# Altium PCB Enigma Rev B.PcbDoc (part 7 of 8)
Units mm, origin at the board's own origin, x right, y up, seen from the top; angles counter-clockwise.
Board outline 239.08 x 138 mm, 6 copper layers (Component Side, Ground Plane (GND), Inner Layer 1, Inner Layer 2, Power Plane (VCC), Solder Side), stack 1.297 mm thick; 556 components, 648 nets, 2393 pads, 1101 vias.
Unrouted connection lines stored in the file: 43.
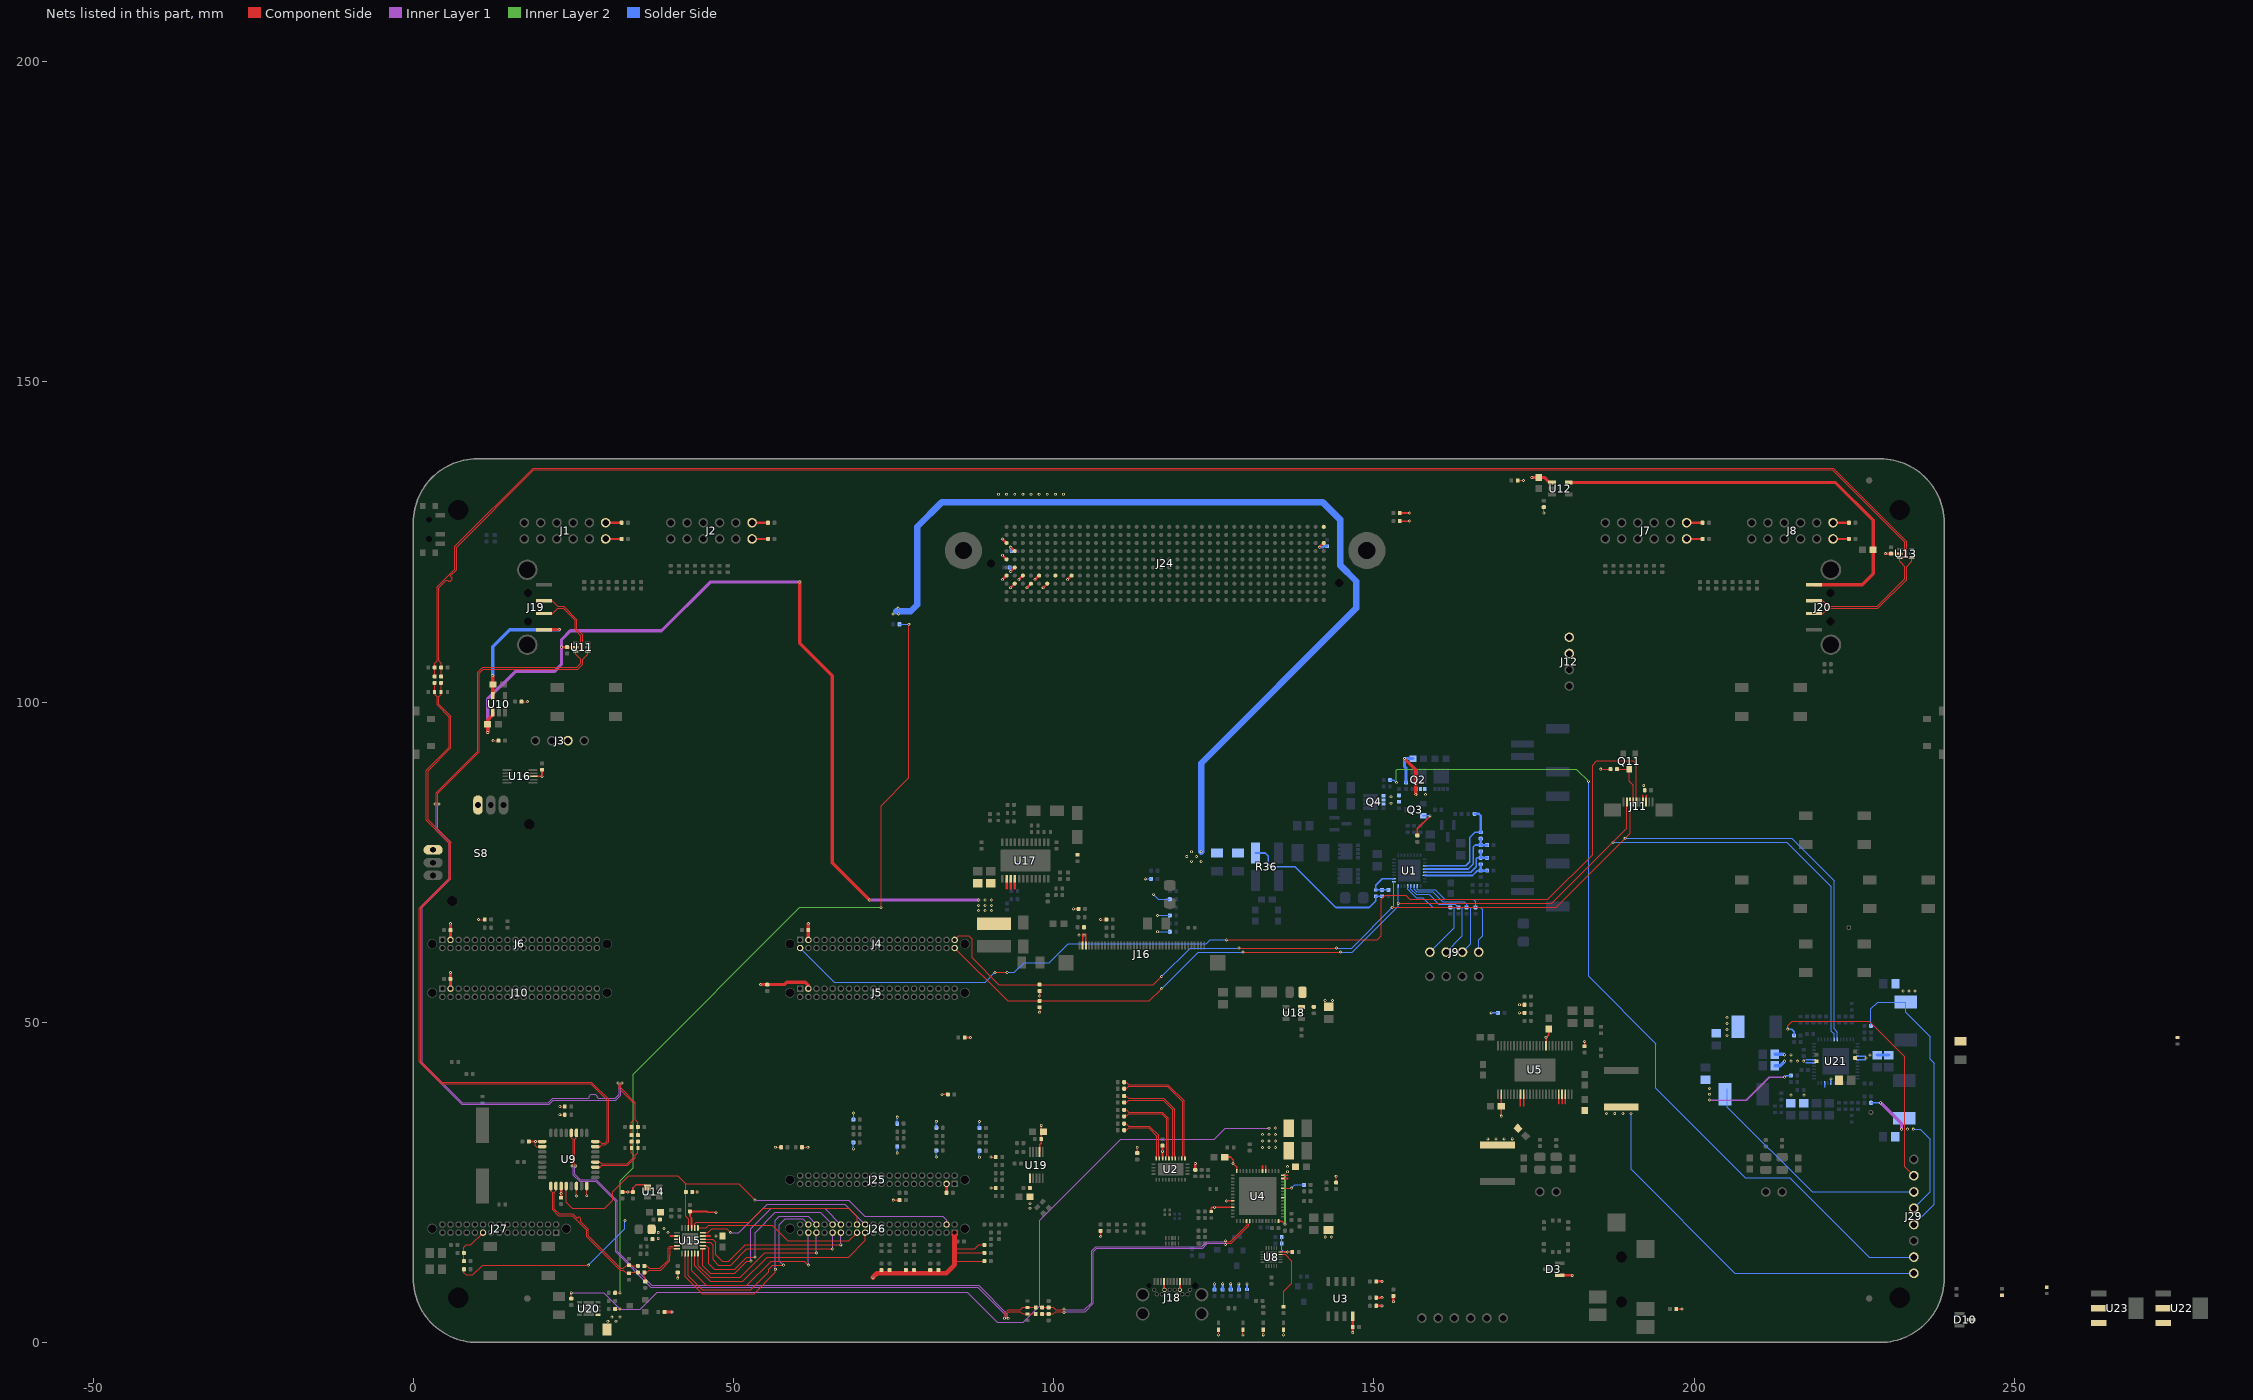
[diagram p11: the nets of this part, all layers, seen from the top]

## Via types
v1: diameter 0.457, hole 0.203, Component Side to Solder Side, tented top, 1031 vias
v2: diameter 0.5, hole 0.2, Component Side to Solder Side, 55 vias
v3: diameter 0.457, hole 0.203, Component Side to Solder Side, 9 vias
v4: diameter 0.5, hole 0.2, Component Side to Solder Side, tented both sides, 6 vias

## Nets (pads, with @x,y where several pads share a name; then routed paths per layer and width w, separated by ;. In a path a pad name is that pad's centre, name@x,y a point inside that pad or via, vN(x,y) a via of type N, cw(c..) or ccw(c..) an arc to the next point about the centre after c; other vN are vias at no path point) (continued)
TOUCH_INT_N: J4.2 J11.5 | length 165.3
  Component Side w0.127: v1(90.805,57.785) v1(92.71,57.785) ; v1(127,62.865) 150.495,62.865 151.13,63.5 151.13,69.215 151.765,69.85 154.94,69.85 155.575,69.215 177.165,69.215 184.15,76.2 184.15,90.17 184.785,90.805 190.5,90.805 191,90.305 J11.5@191,84.39
  Solder Side w0.127: J4.2@60.391,61.595 65.725,56.261 89.281,56.261 v1(90.805,57.785) ; v1(92.71,57.785) 93.853,57.785 95.377,59.309 99.314,59.309 102.235,62.23 123.825,62.23 124.46,62.865 v1(127,62.865)
TOUCH_RST_N: J11.4 Q11.3 R175.1 | length 7.3
  Component Side w0.127: R175.1@187.96,89.535 Q11.3@189.865,89.535 189.865,87.63 190.5,86.995 J11.4@190.5,84.39
TOUCH_SCL: J4.39 J11.3 J12.3 R208.2 U1.17 U21.43 | length 189.8
  Component Side w0.127: J4.39@84.521,62.865 85.156,63.5 86.741,63.5 87.249,62.992 87.249,60.071 91.44,55.88 R208.2@97.79,55.88 115.57,55.88 v1(116.84,57.15) ; v1(128.905,61.595) v1(144.145,61.595) ; v1(152.846,67.945) 178.435,67.945 190,79.51 J11.3@190,84.39
  Solder Side w0.127: v1(116.84,57.15) 121.285,61.595 v1(128.905,61.595) ; v1(144.145,61.595) 146.496,61.595 153.121,68.22 U1.17@153.121,71.929 ; v1(189.23,78.74) 215.265,78.74 221.87,72.135 221.87,48.969 222.37,48.469 U21.43@222.37,47.319
TOUCH_SDA: J4.40 J11.2 J12.4 R209.2 U1.16 U21.42 | length 187.6
  Component Side w0.127: J4.40@84.521,61.595 92.776,53.34 R209.2@97.79,53.34 114.935,53.34 v1(116.84,55.245) ; v1(129.54,60.96) v1(144.78,60.96) ; v1(153.797,68.58) 177.8,68.58 189.5,80.28 J11.2@189.5,84.39
  Solder Side w0.127: v1(116.84,55.245) 122.555,60.96 v1(129.54,60.96) ; v1(144.78,60.96) 146.611,60.96 153.771,68.12 U1.16@153.771,71.279 ; v1(187.325,78.105) 214.503,78.105 221.42,71.188 221.42,48.619 221.87,48.169 U21.42@221.87,47.319
TRST_L: J24.D34
TS1: J9.1 R38.1 U1.10 | length 19.4
  Solder Side w0.127: U1.10@156.771,71.279 156.771,70.788 156.855,70.704 159.605,70.704 161.094,69.215 165.481,69.215 165.862,68.834 R38.1@165.862,67.945 166.624,67.945 167.005,67.564 167.005,63.5 166.37,62.865 J9.1@166.37,60.96
TS2: J9.2 R39.1 U1.11 | length 18.2
  Solder Side w0.127: U1.11@156.271,71.279 156.271,70.788 156.705,70.354 159.205,70.354 160.725,68.834 164.084,68.834 164.465,68.453 R39.1@164.465,67.945 164.973,67.945 165.1,67.818 165.1,62.23 J9.2@163.83,60.96
TS3: J9.3 R40.1 U1.12 | length 17.7
  Solder Side w0.127: U1.12@155.771,71.279 155.771,70.788 156.605,69.954 158.605,69.954 160.106,68.453 162.687,68.453 R40.1@163.195,67.945 163.703,67.945 163.83,67.818 163.83,63.5 J9.3@161.29,60.96
TS4: J9.4 R41.1 U1.13 | length 17.4
  Solder Side w0.127: U1.13@155.271,71.279 155.271,70.788 156.605,69.454 157.655,69.454 159.164,67.945 R41.1@161.925,67.945 162.433,67.945 162.56,67.818 162.56,64.77 J9.4@158.75,60.96
ULPI_CLK: J26.35 U15.12 | length 25.8
  Component Side w0.127: U15.12@44.43,13.875 44.43,12.077 46.347,10.16 51.054,10.16 54.864,13.97 v1(62.931,13.97)
  Inner Layer 1 w0.127: v1(62.931,13.97) J26.35@62.931,17.145
ULPI_D0: J26.29 U15.16 | length 27.1
  Component Side w0.127: U15.16@45.18,16.125 46.74,16.125 47.244,15.621 47.244,13.716 48.26,12.7 49.276,12.7 51.816,15.24 v1(66.741,15.24)
  Inner Layer 1 w0.127: v1(66.741,15.24) J26.29@66.741,17.145
ULPI_D1: J26.31 U15.15 | length 26.7
  Component Side w0.127: U15.15@45.18,15.625 46.351,15.625 46.736,15.24 46.736,12.954 47.625,12.065 49.53,12.065 52.07,14.605 v1(65.471,14.605)
  Inner Layer 1 w0.127: v1(65.471,14.605) J26.31@65.471,17.145
ULPI_D2: J26.32 U15.14 | length 29.9
  Component Side w0.127: U15.14@45.18,15.125 45.708,15.125 46.101,14.732 46.101,12.319 46.99,11.43 50.165,11.43 52.07,13.335 v1(53.34,13.335)
  Inner Layer 1 w0.127: v1(53.34,13.335) 53.34,17.145 56.515,20.32 63.566,20.32 J26.32@65.471,18.415
ULPI_D3: J26.30 U15.13 | length 32.9
  Component Side w0.127: U15.13@45.18,14.625 45.18,11.97 46.355,10.795 50.165,10.795 52.07,12.7 v1(52.705,12.7)
  Inner Layer 1 w0.127: v1(52.705,12.7) 52.705,17.78 55.88,20.955 64.201,20.955 J26.30@66.741,18.415
ULPI_D4: J26.23 U15.11 | length 33.4
  Component Side w0.127: U15.11@43.93,13.875 43.93,11.95 46.355,9.525 51.435,9.525 55.245,13.335 67.945,13.335 70.551,15.941 J26.23@70.551,17.145
ULPI_D5: J26.37 U15.10 | length 28.8
  Component Side w0.127: U15.10@43.43,13.875 43.43,11.18 45.72,8.89 52.07,8.89 55.88,12.7 61.026,12.7 v1(61.661,12.065)
  Inner Layer 1 w0.127: v1(61.661,12.065) J26.37@61.661,17.145
ULPI_D6: J26.38 U15.9 | length 32.9
  Component Side w0.127: U15.9@42.93,13.875 42.93,10.41 45.085,8.255 52.705,8.255 55.499,11.049 55.499,11.43 56.134,12.065 v1(57.785,12.065)
  Inner Layer 1 w0.127: v1(57.785,12.065) 57.15,12.7 57.15,18.415 58.039,19.304 60.772,19.304 J26.38@61.661,18.415
ULPI_D7: J26.36 U15.8 | length 35.5
  Component Side w0.127: U15.8@42.43,13.875 42.43,10.275 45.085,7.62 53.213,7.62 56.515,10.922 v1(56.515,11.43)
  Inner Layer 1 w0.127: v1(56.515,11.43) 56.515,19.05 57.15,19.685 61.661,19.685 J26.36@62.931,18.415
ULPI_DIR: J26.25 U15.19 | length 26.5
  Component Side w0.127: U15.19@44.43,17.875 45.688,17.875 46.101,18.288 56.007,18.288 58.42,15.875 68.011,15.875 J26.25@69.281,17.145
ULPI_NXT: J26.24 U15.18 | length 29.1
  Component Side w0.127: U15.18@45.18,17.125 45.954,17.125 46.609,17.78 48.895,17.78 v1(49.53,17.145)
  Inner Layer 1 w0.127: v1(49.53,17.145) 50.8,17.145 55.245,21.59 67.376,21.59 J26.24@70.551,18.415
ULPI_RST_N: J26.4 R176.1 U9.4 U15.22 | length 75.8
  Component Side w0.127: U9.4@23.857,24.425 23.857,21.863 24.765,20.955 29.845,20.955 31.115,22.225 31.115,23.495 33.655,26.035 41.275,26.035 42.545,24.765 ; R176.1@42.545,23.495 42.545,24.765 ; R176.1@42.549,23.495 42.549,19.681 42.93,19.3 U15.22@42.93,17.875 ; v1(53.34,22.225) 50.8,24.765 42.545,24.765
  Inner Layer 1 w0.127: v1(53.34,22.225) 67.945,22.225 70.485,19.685 82.677,19.685 83.251,19.111 J26.4@83.251,18.415
ULPI_STP: J26.26 U15.20 | length 28.8
  Component Side w0.127: U15.20@43.93,17.875 43.93,18.53 44.196,18.796 52.451,18.796 54.61,20.955 67.945,20.955 69.281,19.619 J26.26@69.281,18.415
USB_2P0_N: R86.2 R94.2 U4.5 | length 43.9
  Component Side w0.127: R86.2@98.18,4.445 99.586,4.445 99.949,4.445 100.33,4.826 101.435,4.826 v1(101.6,4.661) ; v1(126.8,15.285) 126.965,15.45 127.682,15.45 130.477,18.245 130.477,18.464 130.6,18.587 U4.5@130.6,18.95
  Inner Layer 1 w0.127: v1(101.6,4.661) 101.765,4.826 104.88,4.826 104.955,4.9 106.172,6.118 106.172,14.188 106.68,14.696 123.246,14.696 124,15.45 126.635,15.45 v1(126.8,15.285)
  Inner Layer 2 w0.127: v1(101.6,4.661) v1@101.6,4.826
USB_2P0_P: R85.2 R93.2 U4.4 | length 43.3
  Component Side w0.127: R85.2@98.18,5.461 R93.2@99.205,5.461 99.949,5.461 100.33,5.08 101.435,5.08 v1(101.6,5.245) ; v1(126.8,15.869) 126.965,15.704 127.577,15.704 130.223,18.35 130.223,18.463 130.1,18.587 U4.4@130.1,18.95
  Inner Layer 1 w0.127: v1(101.6,5.245) 101.765,5.08 104.775,5.08 105.918,6.223 105.918,14.293 106.575,14.95 123.141,14.95 123.895,15.704 126.635,15.704 v1(126.8,15.869)
USB_3V3: C42.2 C43.2 C52.2 C66.2 D3.1 LED1.1 LED2.1 LED3.1 LED4.1 R43.1 R44.1 R45.1 R47.1 R59.1 R65.1 R66.1 R67.1 R221.2 R223.1 U2.22 U3.8 U4.42 U4.51 U8.10 | length 27
  Component Side w0.127: v1(125.73,1.185) LED3.1@125.73,1.99 ; v1(129.54,1.185) LED2.1@129.54,1.99 ; v1(132.715,1.185) LED1.1@132.715,1.99 ; v1(135.89,1.185) LED4.1@135.89,1.99 ; R221.2@144.1,24.95 v1(144.1,25.95)
  Component Side w0.203: U8.10@135.385,14.135 v1(136.525,14.135) C66.2@137.257,14.135
  Component Side w0.254: v1(107.315,16.51) R223.1@107.315,17.415 ; R67.1@113.03,29.575 v1(113.03,30.48) ; U2.22@116.987,28.701 C42.2@116.987,30.734 ; C52.2@126.7,28.95 127.6,28.95 128,28.55 v1(128,27.95) 128.6,27.35 U4.42@128.6,26.75 ; v1(127.002,22.1) U4.51@127.95,22.1
  Component Side w0.381: R59.1@122.1,26.95 v1(122.1,27.95) ; U3.8@146.677,4.445 146.685,4.437 v1(146.685,1.524) ; R47.1@150.36,5.715 v1(151.265,5.715) ; R45.1@150.36,6.985 v1(151.265,6.985) ; R44.1@150.36,9.525 v1(151.265,9.525) ; v1(153.035,6.35) R43.1@153.035,7.255 ; D3.1@179.015,10.48 v1(180.975,10.48)
  Solder Side w0.127: R66.1@135.6,16.45 R65.1@135.6,15.45 135.6,14.45 135.915,14.135 v1(136.525,14.135)
  other v1: 116.967,29.845
USB_EXT_S1_N: J19.2 R80.2 R90.2 U11.6 | length 143.2
  Component Side w0.127: v1(3.391,84.074) 3.556,84.239 3.556,85.852 10.033,92.329 10.033,104.648 10.795,105.41 25.527,105.41 26.162,106.045 26.162,106.68 25.339,107.503 U11.6@25.339,107.935 25.893,107.935 26.162,108.204 26.162,110.385 25.273,111.274 25.273,112.784 23.368,114.689 22.567,114.689 21.693,113.816 J19.2@20.38,113.816 ; v1(32.55,40.513) 32.385,40.348 32.385,39.751 34.671,37.465 34.671,34.798 35.052,34.417 R90.2@35.052,33.655 R80.2@35.052,32.377
  Inner Layer 1 w0.127: v1(3.391,84.074) 3.556,83.909 3.556,80.01 5.588,77.978 5.588,72.495 1.143,68.05 1.143,43.583 7.515,37.211 21.187,37.211 21.822,37.846 31.601,37.846 32.385,38.63 32.385,40.348 v1(32.55,40.513)
USB_EXT_S1_P: J19.3 R79.2 R89.2 U11.1 | length 143.5
  Component Side w0.127: v1(3.975,84.074) 3.81,84.239 3.81,85.747 10.287,92.224 10.287,104.543 10.9,105.156 25.632,105.156 26.416,105.94 26.416,106.68 27.239,107.503 U11.1@27.239,107.935 26.685,107.935 26.416,108.204 26.416,110.49 25.527,111.379 25.527,112.889 23.473,114.943 22.567,114.943 21.693,115.816 J19.3@20.38,115.816 ; v1(31.966,40.513) 32.131,40.348 32.131,39.646 34.417,37.36 34.417,34.798 34.036,34.417 R89.2@34.036,33.655 R79.2@34.036,32.377
  Inner Layer 1 w0.127: v1(3.975,84.074) 3.81,83.909 3.81,80.115 5.842,78.083 5.842,72.39 1.397,67.945 1.397,43.688 7.62,37.465 21.082,37.465 21.717,38.1 27.305,38.1 27.432,38.227 27.432,38.481 27.686,38.735 28.416,38.735 28.67,38.481 28.67,38.259 28.829,38.1 31.496,38.1 32.131,38.735 32.131,40.348 v1(31.966,40.513)
USB_EXT_S2_N: J20.2 R84.2 R92.2 U13.6 | length 281.2
  Component Side w0.127: R84.2@4.318,104.005 R92.2@4.318,105.41 4.318,106.045 3.937,106.426 3.937,117.878 5.122,119.062 5.329,119.062 5.519,118.872 5.715,118.872 6.032,119.189 6.032,119.385 5.842,119.576 5.842,119.783 6.731,120.672 6.731,124.206 18.796,136.271 221.593,136.271 232.918,124.946 232.918,122.809 232.649,122.54 U13.6@232.095,122.54 232.095,121.981 232.918,121.158 232.918,119.253 228.608,114.943 220.948,114.943 220.075,115.816 J20.2@218.761,115.816
USB_EXT_S2_P: J20.3 R82.2 R91.2 U13.1 | length 281.7
  Component Side w0.127: R82.2@3.302,104.005 R91.2@3.302,105.41 3.302,106.045 3.683,106.426 3.683,117.983 6.477,120.777 6.477,124.311 18.691,136.525 221.698,136.525 233.172,125.051 233.172,122.809 233.441,122.54 U13.1@233.995,122.54 233.995,121.981 233.172,121.158 233.172,119.148 228.713,114.689 220.948,114.689 220.075,113.816 J20.3@218.761,113.816
USB_FLT_N: R74.2 U8.9 | length 9.8
  Component Side w0.127: U8.9@135.385,13.735 136.125,13.735 137.16,12.7 137.16,9.271 135.89,8.001 R74.2@135.89,5.58
USB_HOST_N: R83.1 U15.5 | length 7.9
  Component Side w0.127: R83.1@36.06,11.938 36.423,11.938 36.804,11.557 38.481,11.557 39.751,12.827 39.751,13.589 39.751,14.71 40.043,15.002 40.518,15.002 40.641,15.125 U15.5@41.18,15.125
USB_HOST_P: R78.2 R81.1 U15.6 | length 9.3
  Component Side w0.127: R78.2@36.195,9.525 36.195,10.16 36.06,10.295 R81.1@36.06,10.922 36.423,10.922 36.804,11.303 38.586,11.303 40.005,12.722 40.005,13.589 40.005,14.605 40.148,14.748 40.518,14.748 40.641,14.625 U15.6@41.18,14.625
USB_HST_N: C70.2 R83.2 U9.2 | length 21.9
  Component Side w0.127: U9.2@22.257,24.425 22.257,23.687 21.984,23.414 21.984,20.815 22.733,20.066 24.892,20.066 25.4,19.558 25.454,19.504 ccw(c25.58,19.63) 25.705,19.504 25.711,19.509 cw(c25.836,19.384) 25.962,19.509 26.07,19.402 cw(c25.944,19.276) 26.07,19.15 26.065,19.145 ccw(c26.19,19.019) 26.065,18.893 26.416,18.542 27.305,17.653 27.305,16.637 32.385,11.557 32.784,11.557 33.292,12.065 C70.2@33.655,12.065 33.782,11.938 R83.2@35.06,11.938
USB_HST_P: C71.2 R81.2 U9.1 | length 21.9
  Component Side w0.127: U9.1@21.457,24.425 21.457,23.687 21.73,23.413 21.73,20.71 22.628,19.812 24.787,19.812 27.051,17.548 27.051,16.532 32.28,11.303 32.784,11.303 33.292,10.795 C71.2@33.655,10.795 33.782,10.922 R81.2@35.06,10.922
USB_RST_IN: R61.1 U4.24 | length 3.6
  Component Side w0.127: U4.24@135.75,24.1 v1(137.1,24.1)
  Solder Side w0.127: v1(137.1,24.1) 137.6,24.6 R61.1@139.1,24.6
USB_RST_OUT_N: U4.21
USB_S1_N: C73.2 R80.1 U9.11 | length 9.6
  Component Side w0.127: U9.11@28.407,27.375 29.145,27.375 29.419,27.648 33.49,27.648 34.671,28.829 34.671,29.228 35.052,29.609 35.052,29.972 R80.1@35.052,31.377
USB_S1_P: C72.2 R79.1 U9.12 | length 9.2
  Component Side w0.127: U9.12@28.407,28.175 29.145,28.175 29.418,27.902 33.385,27.902 34.417,28.934 34.417,29.228 34.036,29.609 34.036,29.972 R79.1@34.036,31.377
USB_S2_N: C75.2 R84.1 U9.15 | length 105.7
  Component Side w0.127: R84.1@4.318,103.005 C75.2@4.318,101.6 4.318,101.237 3.937,100.856 3.937,99.673 5.842,97.768 5.842,92.837 2.286,89.281 2.286,81.639 5.842,78.083 5.842,72.39 1.143,67.691 1.143,43.942 4.445,40.64 27.791,40.64 30.48,37.951 30.48,31.378 29.95,30.848 29.419,30.848 29.145,30.575 U9.15@28.407,30.575
USB_S2_P: C74.2 R82.1 U9.16 | length 105.3
  Component Side w0.127: R82.1@3.302,103.005 C74.2@3.302,101.6 3.302,101.237 3.683,100.856 3.683,99.568 5.588,97.663 5.588,92.942 2.032,89.386 2.032,81.534 5.588,77.978 5.588,72.495 0.889,67.796 0.889,43.837 4.34,40.386 27.686,40.386 30.226,37.846 30.226,31.483 29.845,31.102 29.418,31.102 29.145,31.375 U9.16@28.407,31.375
USB_S3_N: C77.2 R86.1 U9.19 | length 94.2
  Component Side w0.127: v1(25.349,27.559) 25.184,27.724 25.184,31.714 25.457,31.987 U9.19@25.457,32.725 ; v1(92.875,3.772) 92.71,3.937 92.71,4.572 92.964,4.826 94.76,4.826 95.141,4.445 R86.1@97.18,4.445
  Inner Layer 1 w0.127: v1(25.349,27.559) 25.184,27.394 25.184,26.251 26.035,25.4 28.575,25.4 31.75,22.225 31.824,22.151 31.824,14.255 37.189,8.89 88.243,8.89 92.71,4.423 92.71,3.937 v1(92.875,3.772)
USB_S3_P: C76.2 R85.1 U9.20 | length 94.7
  Component Side w0.127: U9.20@24.657,32.725 24.657,31.987 24.93,31.714 24.93,27.724 v1(24.765,27.559) ; v1(92.291,3.772) 92.456,3.937 92.456,4.677 92.859,5.08 94.76,5.08 95.141,5.461 R85.1@97.18,5.461
  Inner Layer 1 w0.127: v1(24.765,27.559) 24.93,27.394 24.93,26.146 25.855,25.22 25.93,25.146 28.47,25.146 31.57,22.045 31.57,14.15 37.084,8.636 88.138,8.636 92.456,4.318 92.456,3.937 v1(92.291,3.772)
V1P8: C112.2 C113.2 C114.2 C209.2 R1.1 R2.1 R3.1 R6.1 R7.1 R10.1 R12.1 R13.1 R16.1 R68.1 R115.2 R176.2 R185.1 U14.4 U15.17 U15.21 U22.2 | length 76
  Component Side w0.127: R68.1@7.89,11.43 7.89,10.906 8.255,10.541 9.271,10.541 10.795,12.065 v1(27.305,12.065) ; R176.2@43.545,23.495 v1(44.319,23.495) ; 84.521,12.7 R1.1@89.17,12.7 ; 84.521,13.97 R7.1@89.17,13.97 ; 84.521,14.605 87.63,14.605 88.265,15.24 R16.1@89.17,15.24
  Component Side w0.254: R115.2@32.647,23.487 v1(33.465,23.487) C112.2@34.282,23.487 34.282,24.122 34.755,24.595 U14.4@36.215,24.595 ; U15.21@43.43,17.875 43.43,19.435 43.18,19.685 C113.2@43.18,20.455 45.839,20.455 45.974,20.32 v1(47.244,20.32) ; U15.17@45.18,16.625 46.343,16.625
  Component Side w0.762: v1(71.755,10.16) 72.39,10.795 83.185,10.795 84.521,12.131 84.521,12.7 84.521,13.97 84.521,14.605 84.521,17.145
  Solder Side w0.127: v1(27.305,12.065) 33.02,17.78 v1(33.02,19.05)
  other v1: 47.244,16.637
V2P5: C139.2 C140.2 C141.2 C142.2 C165.2 C184.2 J25.3 J29.7 L12.1 R199.1 R215.1 R216.1 R217.2 R227.1 R228.1 R229.1 R230.1 R231.1 R232.1 R233.1 R234.1 R235.1 R236.1 U19.1 U19.7 | length 60.3
  Component Side w0.127: v1(56.515,30.48) R215.1@57.42,30.48 ; R216.1@60.69,30.48 v1(61.595,30.48) ; v1(90.17,24.13) R236.1@90.948,24.13 ; v1(90.17,28.956) R235.1@90.948,28.956 ; v1(214.63,48.919) 214.63,49.429 215.366,50.165 227.33,50.165 232.895,44.6 232.895,27.455 J29.7@234.315,26.035
  Component Side w0.254: v1(74.93,22.225) R217.2@75.901,22.225 ; U19.7@97.782,29.736 97.782,30.853 98.036,31.107 v1@98.036,33.909
  Component Side w0.381: C184.2@83.251,23.368 J25.3@83.251,24.765
  Solder Side w0.127: v1(68.707,30.226) 68.707,31.226 R228.1@68.723,31.242 ; R227.1@68.723,34.814 v1(68.723,35.814) ; v1(75.549,29.591) R230.1@75.549,30.591 ; R229.1@75.549,34.179 v1(75.549,35.179) ; v1(81.661,28.956) R232.1@81.661,29.956 ; R231.1@81.661,33.544 v1(81.661,34.544) ; v1(88.392,28.918) R234.1@88.392,29.918 ; R233.1@88.392,33.506 v1(88.392,34.506)
  Solder Side w0.203: v1(214.63,48.919) 215.22,48.919 215.62,48.519 R199.1@215.62,47.919
  other v1: 96.282,20.955 96.282,21.717 98.044,33.909 205.129,47.966 205.129,48.883 205.129,49.799 205.129,50.716
V3P3: C1.2 C2.2 C3.2 C4.2 C28.2 C29.2 C30.2 C31.2 C32.2 C57.2 C80.2 C81.2 C100.2 C101.2 C122.2 C128.2 C130.2 C131.2 C135.2 C153.2 C180.2 C181.2 D10.3 J1.6 J1.12 J2.6 J2.12 J3.2 J4.3 J5.3 J7.6 J7.12 J8.6 J8.12 J11.7 J11.8 J16.2 J16.3 J24.C39 J24.D32 J24.D36 J24.D38 J24.D40 J29.5 L8.1 L10.1 R87.1 R88.1 R96.2 R97.2 R98.2 R99.2 R101.1 R102.1 R103.1 R104.2 R105.2 R116.1 R117.1 R154.1 R158.2 R162.2 R163.1 R165.1 R166.1 R175.2 R191.1 R208.1 R209.1 R210.1 R211.1 S8.X+ S8.Y+ U4.53 U5.9 U5.26 U9.3 U9.6 U9.8 U9.25 U9.26 U16.8 U18.5 U22.3 | length 111.3
  Component Side w0.127: v1(12.446,93.98) R96.2@13.285,93.98 ; R97.2@16.875,100.076 v1(17.78,100.076) ; v1(19.066,31.375) 19.05,31.358 19.05,30.734 19.209,30.575 U9.26@20.107,30.575 ; v1(22.86,35.56) R88.1@23.63,35.56 ; v1(22.86,36.83) R87.1@23.63,36.83 ; v1(25.457,22.86) U9.6@25.457,24.425 ; v1(27.057,22.901) U9.8@27.057,24.425 U9.8@27.057,24.466 ; v1(107.315,66.04) R158.2@108.22,66.04 ; R98.2@172.45,134.62 v1(173.355,134.62) ; v1(172.72,51.47) R101.1@173.518,51.47 ; v1(172.72,52.74) R102.1@173.518,52.74 ; v1(176.53,129.54) R99.2@176.53,130.445 ; v1(185.42,89.535) R175.2@186.96,89.535
  Component Side w0.203: C57.2@124.6,20.45 124.6,20.95 124.75,21.1 v1(125.1,21.1) U4.53@127.95,21.1 ; v1(169.883,35.341) C100.2@169.883,36.865 U5.26@169.883,38.77 ; U5.9@176.883,46.32 176.883,47.604 177.32,48.041 C101.2@177.32,48.93 ; R105.2@182.908,46.255 v1(182.908,47.025) ; R103.1@197.215,5.213 v1(198.12,5.213)
  Component Side w0.254: U16.8@18.655,88.4 v1(20.066,88.4) C28.2@20.066,89.424 ; v1(82.55,38.735) R211.1@83.455,38.735 ; R210.1@86.09,47.625 v1(86.995,47.625) ; v1(97.79,51.562) R209.1@97.79,52.34 ; v1(97.79,54.102) R208.1@97.79,54.88 ; v1(103.075,67.705) R154.1@103.875,67.705 ; J16.2@104.5,61.99 104.5,63.805 ; J16.3@105,61.99 105,63.805 ; R117.1@154.035,128.27 v1(155.575,128.27) ; R116.1@154.035,129.54 v1(155.575,129.54) ; J11.7@192,84.39 192,85.447 ; J11.8@192.5,84.39 192.5,85.439
  Component Side w0.381: C80.2@18.026,31.375 v1(19.066,31.375) U9.25@20.107,31.375 ; C81.2@23.057,22.606 v1(23.057,23.241) U9.3@23.057,24.425 ; J1.6@30.02,125.476 C30.2@32.512,125.476 ; J1.12@30.02,128.016 C29.2@32.512,128.016 ; J2.6@52.88,125.476 C1.2@55.372,125.476 ; J2.12@52.88,128.016 C2.2@55.372,128.016 ; v1(91.996,119.126) J24.D40@92.631,119.761 ; v1(93.266,117.856) J24.C39@93.901,118.491 ; v1(94.536,119.126) J24.D38@95.171,119.761 ; v1(97.076,119.126) J24.D36@97.711,119.761 ; v1(102.156,119.126) J24.D32@102.791,119.761 ; J7.6@198.837,125.476 C32.2@201.329,125.476 ; J7.12@198.837,128.016 C31.2@201.329,128.016 ; J8.6@221.697,125.476 C3.2@224.189,125.476 ; J8.12@221.697,128.016 C4.2@224.189,128.016
  Component Side w0.508: v1(54.229,55.88) C181.2@55.245,55.88 57.912,55.88 58.293,56.261 61.214,56.261 61.661,55.814 J5.3@61.661,55.245 ; J4.3@61.661,62.865 C180.2@61.661,64.389 v1(61.661,65.405)
  Inner Layer 1 w0.508: v1(229.12,37.419) 232.398,34.141 v1(232.398,33.298)
  Solder Side w0.127: v1(114.3,72.39) R166.1@115.205,72.39 ; v1(115.57,69.977) 116.332,69.215 R165.1@118.126,69.215 ; v1(116.205,64.135) R162.2@118.126,64.135 ; v1(116.205,66.675) R163.1@118.126,66.675 ; v1(234.231,33.298) 235.307,33.298 236.855,31.75 236.855,23.495 J29.5@234.315,20.955
  Solder Side w0.203: v1(168.303,51.47) R104.2@169.383,51.47 ; R191.1@227.62,37.419 v1(229.12,37.419)
  other v1: 233.314,33.298 176.883,47.66 142.38,53.394 143.523,53.394 103.945,63.61 104.725,63.61 192.143,86.995 91.361,132.461 92.631,132.461 93.901,132.461 95.171,132.461 96.441,132.461 97.711,132.461 98.981,132.461 100.251,132.461 101.521,132.461
V3P3_ALWAYS_ON: C174.2 R180.2 R181.2 R193.1 U23.2 | length 132.8
  Component Side w0.127: R181.2@31.488,7.747 v1(32.258,7.747) ; v1(73.025,67.945) 73.025,83.82 77.367,88.162 v1(77.367,112.165)
  Inner Layer 2 w0.127: v1(32.258,7.747) 32.258,25.273 34.29,27.305 34.29,41.91 60.325,67.945 v1(73.025,67.945)
  Solder Side w0.127: R180.2@75.9,112.165 v1(77.367,112.165)
V5P0: C50.2 C82.2 C84.2 C85.2 C87.2 C108.2 C109.2 C110.2 C111.2 C120.2 C121.2 C147.2 J29.4 L7.1 L9.1 R76.2 R113.2 R187.1 U4.14 U4.27 U4.28 U10.1 U11.5 U12.1 U13.5 U15.2 U15.3 U17.2 U17.3 U17.4 | length 210.8
  Component Side w0.254: 40.144,16.625 U15.2@41.18,16.625 ; v1(41.275,10.033) R113.2@41.275,10.938 ; U4.14@135.1,18.95 135.6,18.95 v1(136.1,18.45) ; U4.27@135.75,25.6 136.55,25.6 ; U4.28@135.75,26.1 136.55,26.1
  Component Side w0.381: v1(23.114,108.585) C84.2@24.003,108.585 U11.5@25.339,108.585 ; 92.635,70.948 U17.2@92.635,72.405 ; 93.285,70.948 U17.3@93.285,72.405 ; 93.935,70.948 U17.4@93.935,72.405 ; v1(229.87,123.19) C87.2@230.759,123.19 U13.5@232.095,123.19
  Component Side w0.508: v1(11.596,95.25) C82.2@11.596,96.52 11.596,97.194 12.385,97.983 U10.1@12.385,98.385 ; R76.2@39.227,4.765 v1(40.386,4.765) ; v1(60.325,118.745) 60.325,109.22 65.405,104.14 65.405,74.93 v1(71.247,69.088) ; v1(174.665,135.089) 175.768,135.089 175.935,135.089 176.609,135.089 177.398,134.3 U12.1@177.8,134.3
  Inner Layer 1 w0.508: v1(11.596,95.25) 11.596,100.496 15.875,104.775 21.971,104.775 23.114,105.918 v1(23.114,108.585) 23.114,109.728 24.511,111.125 38.735,111.125 46.355,118.745 v1(60.325,118.745) ; v1(71.247,69.088) v1(88.265,69.088)
  Inner Layer 2 w0.254: v1(136.1,18.45) 136.1,26.25
  Solder Side w0.127: R187.1@227.62,49.419 227.62,52.106 228.658,53.144 L9.1@233.045,53.144 233.045,51.562 236.855,47.752 236.855,44.215 237.49,43.58 237.49,21.59 J29.4@234.315,18.415
  other v1: 38.227,16.256 38.227,17.145 39.751,17.145 39.116,17.78 136.5,26.65 136.5,27.45 232.652,54.869 233.568,54.869 234.485,54.869 88.265,67.437 89.281,67.437 90.297,67.437 88.265,68.263 89.281,68.263 90.297,68.263 89.281,69.088 90.297,69.088
VADJ: C136.2 C137.2 C138.2 C159.2 C182.2 C183.2 J6.3 J10.3 J24.E39 J24.F40 J24.G39 J24.H1 J24.H40 J29.6 L11.1 R195.1 R212.1 | length 64.9
  Component Side w0.127: v1(10.16,66.04) R212.1@11.131,66.04
  Component Side w0.381: v1(91.996,122.936) J24.F40@92.631,122.301 ; v1(91.996,125.476) J24.H40@92.631,124.841 ; v1(93.266,120.396) J24.E39@93.901,121.031 ; v1(93.266,124.206) J24.G39@93.901,123.571 ; v1(141.526,124.206) J24.H1@142.161,124.841
  Component Side w0.508: J10.3@5.781,55.245 C183.2@5.781,56.769 v1(5.781,57.785) ; J6.3@5.781,62.865 C182.2@5.781,64.389 v1(5.781,65.405)
  Inner Layer 1 w0.203: v1(202.438,37.846) 208.18,37.846 211.753,41.419 v1(214.12,41.419)
  Solder Side w0.127: L11.1@205.174,39.624 205.174,36.761 218.44,23.495 J29.6@234.315,23.495
  Solder Side w0.203: v1(214.12,41.419) 214.37,41.669 R195.1@215.12,41.669
  Solder Side w0.381: C136.2@93.131,121.031 93.266,120.896 v1(93.266,120.396) ; v1(93.266,124.206) 93.266,123.706 C138.2@93.401,123.571 ; v1(141.526,124.206) 142.026,124.206 142.161,124.341 C137.2@142.669,124.341
  other v1: 202.438,38.763 202.438,39.679
VBUS: C62.2 C63.2 C64.2 C65.2 D4.1 J18.A4 J18.A9 J18.B4 J18.B9 L2.1 | length 7
  Component Side w0.305: J18.B9@117.237,8.265 J18.A4@117.237,9.525 ; J18.B4@119.737,8.265 J18.A9@119.737,9.525
  Solder Side w0.381: C64.2@125.095,8.247 v1(125.095,9.144) ; C63.2@126.365,8.255 v1(126.365,9.152) ; C65.2@127.635,8.255 v1(127.635,9.152) ; C62.2@128.905,8.255 v1(128.905,9.152) ; D4.1@130.175,8.255 v1(130.175,9.152)
  other v1: 142.4,16.45 143.4,16.45
VC1: C21.2 C24.1 R31.2 U1.6 | length 11.1
  Solder Side w0.254: U1.6@157.921,72.929 165.385,72.929 166.135,73.679 C24.1@166.676,73.679
  Solder Side w0.381: C21.2@166.676,74.679 C24.1@166.676,73.679 R31.2@167.676,73.679
VC2: C20.2 C21.1 R29.2 U1.5 | length 12.4
  Solder Side w0.254: U1.5@157.921,73.429 165.123,73.429 165.989,74.295 165.989,75.565 166.103,75.679 C21.1@166.676,75.679
  Solder Side w0.381: C20.2@166.676,76.679 C21.1@166.676,75.679 R29.2@167.676,75.679
VC3: C17.2 C20.1 R25.2 U1.4 | length 13.9
  Solder Side w0.254: U1.4@157.921,73.929 164.734,73.929 165.481,74.676 165.481,77.343 165.817,77.679 C20.1@166.676,77.679
  Solder Side w0.381: C17.2@166.676,78.679 C20.1@166.676,77.679 R25.2@167.676,77.679
VC4: C17.1 R21.2 U1.3 | length 16.8
  Solder Side w0.254: U1.3@157.921,74.429 164.345,74.429 164.973,75.057 164.973,78.867 165.785,79.679 C17.1@166.676,79.679
  Solder Side w0.381: R21.2@165.727,82.55 166.37,82.55 166.676,82.244 C17.1@166.676,79.679
VDDD_V3P3: C171.2 R203.1 U21.20 | length 0.7
  Solder Side w0.203: U21.20@221.37,40.519 v1(221.37,41.169)
VFB: C38.1 R37.2 R42.1 U1.18 | length 6
  Solder Side w0.203: R42.1@152.271,70.679 R37.2@151.271,70.679 C38.1@150.271,70.679 150.271,71.404 151.296,72.429 U1.18@153.121,72.429
VHST_5P0_0: C83.2 J19.1 U10.5 | length 21.6
  Component Side w0.457: J19.1@20.38,111.316 v1(22.781,111.316)
  Component Side w0.508: U10.5@12.385,101.005 C83.2@12.385,102.743 v1(12.385,104.14)
  Solder Side w0.508: v1@12.385,104.079 v1(12.385,104.14) 12.385,108.651 15.05,111.316 v1(22.781,111.316)
VHST_5P0_1: C86.2 J20.1 U12.5 | length 68.3
  Component Side w0.508: U12.5@180.42,134.3 222.062,134.3 227.965,128.397 C86.2@227.965,123.825 227.965,120.015 226.266,118.316 J20.1@218.761,118.316
VIN: C48.2 C49.2 J29.2 Q3.2 Q4.1 Q4.2 Q4.3 R24.1 R26.1 R27.1 R28.1 R182.1 R183.1 U4.33 U4.34 | length 279.2
  Component Side w0.127: R183.1@24.638,6.842 v1(24.638,7.747) ; R182.1@31.488,5.207 v1(32.258,5.207)
  Component Side w0.254: U4.34@132.6,26.75 132.6,27.55 ; U4.33@133.1,26.75 133.1,27.55 ; R24.1@156.771,79.179 156.771,80.229 v1(158.771,82.229)
  Inner Layer 1 w0.127: v1(24.638,7.747) 29.718,7.747 v1(32.258,5.207) 35.433,5.207 38.1,7.874 86.487,7.874 91.186,3.175 95.25,3.175 97.79,5.715 97.79,19.05 110.49,31.75 125.095,31.75 126.795,33.45 v1(133.6,33.45)
  Inner Layer 2 w0.127: v1(153.521,87.429) 153.521,89.386 153.67,89.535 181.61,89.535 v1(183.515,87.63)
  Solder Side w0.127: v1(183.515,87.63) 183.515,57.15 193.992,46.672 193.992,39.688 207.962,25.717 214.947,25.717 227.33,13.335 J29.2@234.315,13.335
  Solder Side w0.254: R27.1@152.521,87.81 153.14,87.81 v1(153.521,87.429) ; Q3.2@157.671,82.229 v1(158.771,82.229)
  other v1: 132.6,30.45 133.6,30.45 134.6,30.45 132.6,31.45 133.6,31.45 134.6,31.45 132.6,32.45 133.6,32.45 134.6,32.45 134.65,33.5 152.654,84.201 152.654,85.217
VREF_B_M2C: J24.K1
VSYS: C16.1 C36.1 C37.1 C38.2 C103.2 C104.2 C105.2 C106.2 C143.2 C146.2 C152.2 C158.2 C164.2 C169.2 C170.2 C210.2 J24.C35 J24.C37 J29.1 Q2.1 Q2.2 Q2.3 R19.1 R36.1 R37.1 U5.32 U5.33 U5.44 U5.45 U5.46 U20.1 U21.5 U21.6 U21.22 U21.30 U21.31 U23.3 | length 264.7
  Component Side w0.203: 172.883,36.865 U5.32@172.883,38.77 ; 173.383,36.865 U5.33@173.383,38.77
  Component Side w0.254: 178.883,37.278 U5.44@178.883,38.77 ; 179.383,37.278 U5.45@179.383,38.77 ; 179.883,37.278 U5.46@179.883,38.77
  Component Side w0.381: v1(95.806,117.856) J24.C37@96.441,118.491 ; v1(98.346,117.856) J24.C35@98.981,118.491
  Component Side w0.508: v1(154.771,91.179) 156.546,89.404 v1(156.546,85.554)
  Solder Side w0.127: v1(190.147,35.778) 190.147,27.023 206.375,10.795 J29.1@234.315,10.795
  Solder Side w0.203: 217.457,43.669 U21.30@218.72,43.669 ; 217.457,44.169 U21.31@218.72,44.169 ; 220.37,39.819 U21.22@220.37,40.519 ; U21.6@225.52,44.169 226.783,44.169 ; U21.5@225.52,44.669 226.783,44.669
  Solder Side w0.254: R36.1@131.471,76.429 133.021,76.429 133.521,75.929 133.521,74.679 133.921,74.279 137.671,74.279 144.021,67.929 149.271,67.929 150.271,68.929 C38.2@150.271,69.679 R37.1@151.271,69.679
  Solder Side w0.508: R19.1@155.021,87.429 155.021,89.679 154.771,89.929 v1(154.771,91.179) C16.1@156.071,91.179 ; C164.2@212.62,43.219 213.47,43.219 v1@214.02,43.769 ; C158.2@212.62,45.019 v1@214.02,45.019 ; C152.2@228.62,44.869 C146.2@230.42,44.869
  Solder Side w1.016: 75.359,114.173 77.645,114.173 78.661,115.189 78.661,127.381 82.471,131.191 142.034,131.191 144.701,128.524 144.701,121.412 147.241,118.872 147.241,114.681 123.021,90.461 v1(123.021,76.629)
  other v1: 30.353,3.302 31.623,3.302 30.988,3.937 32.258,3.937 167.795,31.785 169.065,31.785 170.335,31.785 171.605,31.785 186.337,35.778 187.607,35.778 188.877,35.778 215.138,38.608 217.17,38.608 214.12,43.919 215.12,43.919 216.12,43.919 217.12,43.919 226.87,44.419 214.12,44.919 215.12,44.919 227.47,44.919 121.521,75.129 123.021,75.129 120.771,75.879 122.271,75.879 121.521,76.629 158.046,85.554 74.9,113.765 75.775,113.79 75.7,114.665
X_DP1_TX0_N: C14.2 U2.15 | length 19.7
  Component Side w0.127: C14.2@110.99,40.64 111.354,40.64 111.735,40.259 117.834,40.259 120.364,37.729 120.364,29.187 120.487,29.064 U2.15@120.487,28.701
X_DP1_TX0_P: C55.2 U2.16 | length 19.2
  Component Side w0.127: C55.2@110.99,39.624 111.354,39.624 111.735,40.005 117.729,40.005 120.11,37.624 120.11,29.187 119.987,29.064 U2.16@119.987,28.701
X_DP1_TX1_N: C189.2 U2.18 | length 16.5
  Component Side w0.127: C189.2@110.99,38.481 111.354,38.481 111.735,38.1 117.199,38.1 118.864,36.435 118.864,29.187 118.987,29.064 U2.18@118.987,28.701
X_DP1_TX1_P: C190.2 U2.19 | length 16.1
  Component Side w0.127: C190.2@110.99,37.465 111.354,37.465 111.735,37.846 117.094,37.846 118.61,36.33 118.61,29.188 118.487,29.064 U2.19@118.487,28.701
X_DP1_TX2_N: C191.2 U2.20 | length 13.8
  Component Side w0.127: C191.2@110.99,36.322 111.354,36.322 111.735,35.941 116.945,35.941 117.864,35.022 117.864,29.187 117.987,29.064 U2.20@117.987,28.701
X_DP1_TX2_P: C192.2 U2.21 | length 13.4
  Component Side w0.127: C192.2@110.99,35.306 111.354,35.306 111.735,35.687 116.84,35.687 117.61,34.917 117.61,29.187 117.487,29.064 U2.21@117.487,28.701
X_DP1_TX3_N: C193.2 U2.23 | length 9.8
  Component Side w0.127: C193.2@110.99,34.163 111.354,34.163 111.735,33.782 114.913,33.782 116.364,32.331 116.364,29.187 116.487,29.064 U2.23@116.487,28.701
X_DP1_TX3_P: C194.2 U2.24 | length 9.4
  Component Side w0.127: C194.2@110.99,33.147 111.354,33.147 111.735,33.528 114.808,33.528 116.11,32.226 116.11,29.188 115.987,29.064 U2.24@115.987,28.701
ZYNQ_RST_N: C13.2 J27.19 R46.1 | length 6.1
  Component Side w0.127: R46.1@7.89,12.7 C13.2@7.89,13.97 7.89,14.875 8.255,15.24 8.956,15.24 J27.19@10.861,17.145
pads on no net: D1.2 D2.2 D3.2 D10.2 F1.0 F2.0 F3.0 J4.1 J4.41 J4.42 J5.1 J5.41 J5.42 J6.1 J6.2 J6.11 J6.19 J6.39 J6.40 J6.41 J6.42 J10.1 J10.2 J10.4 J10.39 J10.40 J10.41 J10.42 J11.6 J11.M1 J11.M2 J13.MNT J14.MNT J15.MNT J16.4 J16.23 J16.24 J16.26 J16.M1 J16.M2 J18.M J19. J20. J23. J23.5 J23.6 J24.B40 J24.J39 J24.K40 J24.M1 J24.M3 J24.MH1 J24.MH2 J25.1 J25.2 J25.4 J25.11 J25.17 J25.19 J25.23 J25.25 J25.29 J25.31 J25.35 J25.37 J25.38 J25.41 J25.42 J26.3 J26.39 J26.40 J26.41 J26.42 J27.1 J27.2 J27.3 J27.4 J27.11 J27.12 J27.13 J27.14 J27.15 J27.16 J27.18 J27.21 J27.22 J27.23 J27.24 J27.41 J27.42 J29.3 MNT1.MOUNT MNT2.MOUNT MNT3.MOUNT MNT4.MOUNT R157.1 S1.2 S1.3 S2.2 S2.3 S3.M S4.M S5.2 S5.3 S6.2 S6.3 S7.2 S7.3 S8.1 S9.2 S9.3 S10.0 S10.M S11.2 S11.3 U2.11 U2.12 U2.13 U2.14 U2.25 U2.26 U2.27 U2.28 U4.29 U4.30 U4.31 U4.32 U8.21@133.51,12.86 U8.21@133.51,13.81 U8.21@134.46,12.86 U8.21@134.46,13.81 U9.5 U9.32 U11.3 U11.4 U13.3 U13.4 U17.25@95.56,75.255 U20.6 U21.13 U21.27 U21.34 U21.44 U21.48 U22.4 U23.4 Y2.2 Y2.4
copper on no net: | length 3904.9
  Component Side w0.025: 40.793,152.154 43.325,154.686 46.373,157.734 49.421,160.782 52.469,163.83 55.517,166.878 58.565,169.926 61.613,172.974 64.661,176.022 67.709,179.07 69.233,180.594 ; 40.793,153.678 41.801,154.686 44.849,157.734 47.897,160.782 50.945,163.83 53.993,166.878 57.041,169.926 60.089,172.974 63.137,176.022 66.185,179.07 69.233,182.118 ; 40.793,155.202 43.325,157.734 46.373,160.782 49.421,163.83 52.469,166.878 55.517,169.926 58.565,172.974 61.613,176.022 64.661,179.07 67.709,182.118 69.233,183.642 ; 40.793,156.726 41.801,157.734 44.849,160.782 47.897,163.83 50.945,166.878 53.993,169.926 57.041,172.974 60.089,176.022 63.137,179.07 66.185,182.118 69.233,185.166 ; 40.793,158.25 43.325,160.782 46.373,163.83 49.421,166.878 52.469,169.926 55.517,172.974 58.565,176.022 61.613,179.07 64.661,182.118 67.709,185.166 69.233,186.69 ; 40.793,159.774 41.801,160.782 44.849,163.83 47.897,166.878 50.945,169.926 53.993,172.974 57.041,176.022 60.089,179.07 63.137,182.118 66.185,185.166 69.233,188.214 ; 40.793,161.298 43.325,163.83 46.373,166.878 49.421,169.926 52.469,172.974 55.517,176.022 58.565,179.07 61.613,182.118 64.661,185.166 67.709,188.214 69.233,189.738 ; 40.793,162.822 41.801,163.83 44.849,166.878 47.897,169.926 50.945,172.974 53.993,176.022 57.041,179.07 60.089,182.118 63.137,185.166 66.185,188.214 69.233,191.262 ; 40.793,164.346 43.325,166.878 46.373,169.926 49.421,172.974 52.469,176.022 55.517,179.07 58.565,182.118 61.613,185.166 64.661,188.214 67.709,191.262 69.233,192.786 ; 40.793,165.87 41.801,166.878 44.849,169.926 47.897,172.974 50.945,176.022 53.993,179.07 57.041,182.118 60.089,185.166 63.137,188.214 66.185,191.262 69.233,194.31 ; 40.793,167.394 43.325,169.926 46.373,172.974 49.421,176.022 52.469,179.07 55.517,182.118 58.565,185.166 61.613,188.214 64.661,191.262 67.709,194.31 69.233,195.834 ; 40.793,168.918 41.801,169.926 44.849,172.974 47.897,176.022 50.945,179.07 53.993,182.118 57.041,185.166 60.089,188.214 63.137,191.262 66.185,194.31 69.233,197.358 ; 40.793,170.442 43.325,172.974 46.373,176.022 49.421,179.07 52.469,182.118 55.517,185.166 58.565,188.214 61.613,191.262 64.661,194.31 67.709,197.358 ; 40.793,171.966 41.801,172.974 44.849,176.022 47.897,179.07 50.945,182.118 53.993,185.166 57.041,188.214 60.089,191.262 63.137,194.31 66.185,197.358 ; 40.793,173.49 43.325,176.022 46.373,179.07 49.421,182.118 52.469,185.166 55.517,188.214 58.565,191.262 61.613,194.31 64.661,197.358 ; 40.793,175.014 41.801,176.022 44.849,179.07 47.897,182.118 50.945,185.166 53.993,188.214 57.041,191.262 60.089,194.31 63.137,197.358 ; 40.793,176.538 43.325,179.07 46.373,182.118 49.421,185.166 52.469,188.214 55.517,191.262 58.565,194.31 61.613,197.358 ; 40.793,178.062 41.801,179.07 44.849,182.118 47.897,185.166 50.945,188.214 53.993,191.262 57.041,194.31 60.089,197.358 ; 40.793,179.586 43.325,182.118 46.373,185.166 49.421,188.214 52.469,191.262 55.517,194.31 58.565,197.358 ; 40.793,181.11 41.801,182.118 44.849,185.166 47.897,188.214 50.945,191.262 53.993,194.31 57.041,197.358 ; 40.793,182.634 43.325,185.166 46.373,188.214 49.421,191.262 52.469,194.31 55.517,197.358 ; 40.793,184.158 41.801,185.166 44.849,188.214 47.897,191.262 50.945,194.31 53.993,197.358 ; 40.793,185.682 43.325,188.214 46.373,191.262 49.421,194.31 52.469,197.358 ; 40.793,187.206 41.801,188.214 44.849,191.262 47.897,194.31 50.945,197.358 ; 40.793,188.73 43.325,191.262 46.373,194.31 49.421,197.358 ; 40.793,190.254 41.801,191.262 44.849,194.31 47.897,197.358 ; 40.793,191.778 43.325,194.31 46.373,197.358 ; 40.793,193.302 41.801,194.31 44.849,197.358 ; 40.793,194.826 43.325,197.358 ; 40.793,196.35 41.801,197.358 ; 41.801,151.638 44.849,154.686 47.897,157.734 50.945,160.782 53.993,163.83 57.041,166.878 60.089,169.926 63.137,172.974 66.185,176.022 69.233,179.07 ; 43.325,151.638 46.373,154.686 49.421,157.734 52.469,160.782 55.517,163.83 58.565,166.878 61.613,169.926 64.661,172.974 67.709,176.022 69.233,177.546 ; 44.849,151.638 47.897,154.686 50.945,157.734 53.993,160.782 57.041,163.83 60.089,166.878 63.137,169.926 66.185,172.974 69.233,176.022 ; 46.373,151.638 49.421,154.686 52.469,157.734 55.517,160.782 58.565,163.83 61.613,166.878 64.661,169.926 67.709,172.974 69.233,174.498 ; 47.897,151.638 50.945,154.686 53.993,157.734 57.041,160.782 60.089,163.83 63.137,166.878 66.185,169.926 69.233,172.974 ; 49.421,151.638 52.469,154.686 55.517,157.734 58.565,160.782 61.613,163.83 64.661,166.878 67.709,169.926 69.233,171.45 ; 50.945,151.638 53.993,154.686 57.041,157.734 60.089,160.782 63.137,163.83 66.185,166.878 69.233,169.926 ; 52.469,151.638 55.517,154.686 58.565,157.734 61.613,160.782 64.661,163.83 67.709,166.878 69.233,168.402 ; 53.993,151.638 57.041,154.686 60.089,157.734 63.137,160.782 66.185,163.83 69.233,166.878 ; 55.517,151.638 58.565,154.686 61.613,157.734 64.661,160.782 67.709,163.83 69.233,165.354 ; 57.041,151.638 60.089,154.686 63.137,157.734 66.185,160.782 69.233,163.83 ; 58.565,151.638 61.613,154.686 64.661,157.734 67.709,160.782 69.233,162.306 ; 60.089,151.638 63.137,154.686 66.185,157.734 69.233,160.782 ; 61.613,151.638 64.661,154.686 67.709,157.734 69.233,159.258 ; 63.137,151.638 66.185,154.686 69.233,157.734 ; 64.661,151.638 67.709,154.686 69.233,156.21 ; 66.185,151.638 69.233,154.686 ; 67.709,151.638 69.233,153.162
  Component Side w0.203: 218.07,44.919 v1(218.07,45.669) ; v1(224.62,46.419) 225.12,45.919 225.12,45.419
  Component Side w0.254: v1(65.4,117.665) 69.95,117.665 ; 71.85,117.665 v1(73.2,117.665)
  Component Side w0.381: -51.893,154.686 -41.481,154.686 -12.025,154.686 9.813,154.686 26.319,154.686 40.793,154.686 69.233,154.686 ; -51.893,157.734 -41.481,157.734 -12.025,157.734 9.813,157.734 26.319,157.734 40.793,157.734 69.233,157.734 ; -51.893,160.782 -41.481,160.782 -12.025,160.782 9.813,160.782 26.319,160.782 40.793,160.782 69.233,160.782 ; -51.893,163.83 -41.481,163.83 -12.025,163.83 9.813,163.83 26.319,163.83 40.793,163.83 69.233,163.83 ; -51.893,166.878 -41.481,166.878 -12.025,166.878 9.813,166.878 26.319,166.878 40.793,166.878 69.233,166.878 ; -51.893,169.926 -41.481,169.926 -12.025,169.926 9.813,169.926 26.319,169.926 40.793,169.926 69.233,169.926 ; -51.893,172.974 -41.481,172.974 -12.025,172.974 9.813,172.974 26.319,172.974 40.793,172.974 69.233,172.974 ; -51.893,176.022 -41.481,176.022 -12.025,176.022 9.813,176.022 26.319,176.022 40.793,176.022 69.233,176.022 ; -51.893,179.07 -41.481,179.07 -12.025,179.07 9.813,179.07 26.319,179.07 40.793,179.07 69.233,179.07 ; -51.893,182.118 -41.481,182.118 -12.025,182.118 9.813,182.118 26.319,182.118 40.793,182.118 69.233,182.118 ; -51.893,185.166 -41.481,185.166 -12.025,185.166 9.813,185.166 26.319,185.166 40.793,185.166 69.233,185.166 ; -51.893,188.214 -41.481,188.214 -12.025,188.214 9.813,188.214 26.319,188.214 40.793,188.214 69.233,188.214 ; -51.893,191.262 -41.481,191.262 -12.025,191.262 9.813,191.262 26.319,191.262 40.793,191.262 69.233,191.262 ; -51.893,194.31 -41.481,194.31 -12.025,194.31 9.813,194.31 26.319,194.31 40.793,194.31 69.233,194.31 ; -51.893,197.358 69.233,197.358 ; -41.481,200.406 -41.481,151.638 ; -12.025,200.406 -12.025,151.638 ; 9.813,200.406 9.813,151.638 ; 26.319,200.406 26.319,151.638 ; 40.793,200.406 40.793,151.638 ; -41.481,151.638 -51.893,151.638 -51.893,200.406 69.233,200.406 69.233,151.638 40.793,151.638 ; -41.481,151.638 -12.025,151.638 ; -12.025,151.638 9.813,151.638 ; 9.813,151.638 26.319,151.638 ; 26.319,151.638 40.793,151.638
  Solder Side w0.127: v1(64.868,126.486) 64.868,129.003 69.596,133.731 162.179,133.731 238.125,57.785 238.125,19.685 234.315,15.875
  Solder Side w0.203: v1(218.07,45.669) 218.72,45.669 ; v1(224.62,46.419) 224.62,46.769 224.87,47.019 224.87,47.319 ; 224.87,40.519 224.87,40.266 226.717,38.419
  Solder Side w0.254: 64.4,113.03 65.6,113.03 67.35,113.03 ; 64.4,114.03 64.4,114.965 ; 64.65,111.76 63.655,111.76 63.2,112.215 63.2,124.691 63.471,124.962 66.803,124.962 66.95,124.815 ; 65.4,114.965 66.1,114.965 ; v1(65.4,117.665) 66.95,117.665 ; 65.6,114.03 66.115,114.03 ; 71.15,110.165 71.811,110.165 72.35,110.704 72.35,111.76 ; 72.35,115.57 72.35,116.815 v1(73.2,117.665)
  Solder Side w0.381: 65.65,110.34 65.65,111.76 67.35,111.76
  other v1: 165.1,90.551 69.4,111.665 70.35,111.665 69.4,115.665 70.4,115.665 69.9,116.365 74.9,118.919 75.9,118.919 66.392,126.486 67.916,126.486 69.44,126.486